# Altium PCB TempdevAmmy0803.PcbDoc (part 4 of 4)
Units mm, origin at the board's own origin, x right, y up, seen from the top; angles counter-clockwise.
Board outline 80.01 x 100.08 mm, 2 copper layers (Top Layer, Bottom Layer); 912 components, 585 nets, 2878 pads, 106 vias.
Unrouted connection lines stored in the file: 2039.
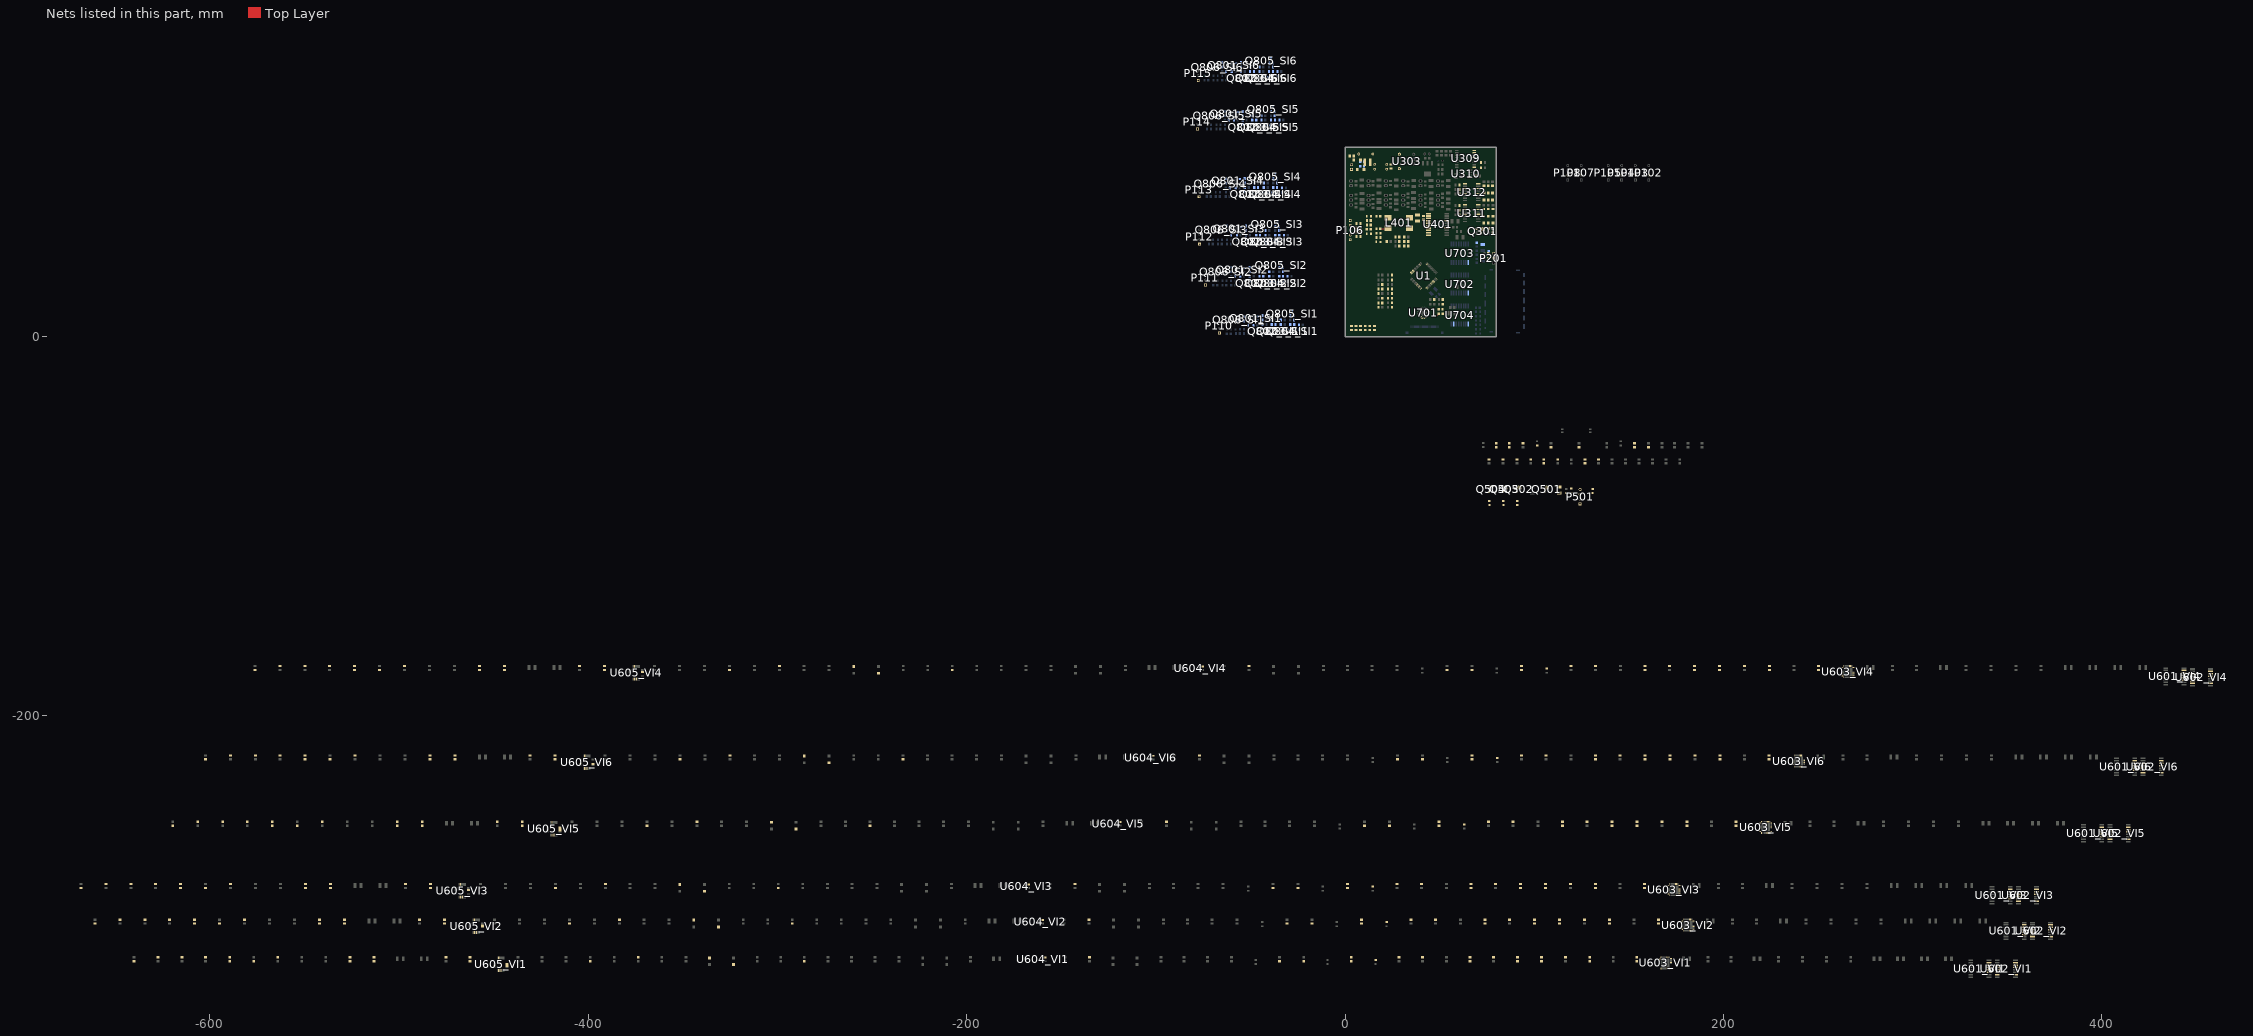
[diagram p4: the nets of this part, all layers, seen from the top]

## Via types
v1: diameter 0.5, hole 0.2, Top Layer to Bottom Layer, 96 vias
v2: diameter 0.5, hole 0.3, Top Layer to Bottom Layer, 9 vias
v3: diameter 0.5, hole 0.25, Top Layer to Bottom Layer, 1 vias

## Nets (pads, with @x,y where several pads share a name; then routed paths per layer and width w, separated by ;. In a path a pad name is that pad's centre, name@x,y a point inside that pad or via, vN(x,y) a via of type N, cw(c..) or ccw(c..) an arc to the next point about the centre after c; other vN are vias at no path point) (continued)
HART_CD/IRQ: U1.63 U602_VI1.6 U602_VI2.6 U602_VI3.6 U602_VI4.6 U602_VI5.6 U602_VI6.6
HART_DUPLEX/SDI: R207.1 R209.1 U602_VI1.5
HART_DUPLEX/SDI_VI2: U602_VI1.7 U602_VI2.5
HART_DUPLEX/SDI_VI3: U602_VI2.7 U602_VI3.5
HART_DUPLEX/SDI_VI4: U602_VI3.7 U602_VI4.5
HART_DUPLEX/SDI_VI5: U602_VI4.7 U602_VI5.5
HART_DUPLEX/SDI_VI6: U602_VI5.7 U602_VI6.5
HART_OUT/SDO: R208.1 R210.1 U602_VI6.7
HART_R\T\S\/SCLK: R206.1 R211.1 U602_VI1.4 U602_VI2.4 U602_VI3.4 U602_VI4.4 U602_VI5.4 U602_VI6.4
HART_RXD/C\S\: U1.64 U602_VI1.3 U602_VI2.3 U602_VI3.3 U602_VI4.3 U602_VI5.3 U602_VI6.3
HMI5V: C501.1 D502.2 D512.2 L501.1 R502.1
IOUT1: Q805_SI1.3 Q805_SI2.3 Q805_SI3.3 Q805_SI4.3 Q805_SI5.3 Q805_SI6.3 R707.1 R708.2
L\D\A\C\_VI1: U601_VI1.11 U603_VI1.20
L\D\A\C\_VI2: U601_VI2.11 U603_VI2.20
L\D\A\C\_VI3: U601_VI3.11 U603_VI3.20
L\D\A\C\_VI4: U601_VI4.11 U603_VI4.20
L\D\A\C\_VI5: U601_VI5.11 U603_VI5.20
L\D\A\C\_VI6: U601_VI6.11 U603_VI6.20
MOD_IN_VI1: C622_VI1.2 U605_VI1.21
MOD_IN_VI2: C622_VI2.2 U605_VI2.21
MOD_IN_VI3: C622_VI3.2 U605_VI3.21
MOD_IN_VI4: C622_VI4.2 U605_VI4.21
MOD_IN_VI5: C622_VI5.2 U605_VI5.21
MOD_IN_VI6: C622_VI6.2 U605_VI6.21
MOD_INF_VI1: C623_VI1.2 C624_VI1.1 R628_VI1.1 R629_VI1.1 U605_VI1.22
MOD_INF_VI2: C623_VI2.2 C624_VI2.1 R628_VI2.1 R629_VI2.1 U605_VI2.22
MOD_INF_VI3: C623_VI3.2 C624_VI3.1 R628_VI3.1 R629_VI3.1 U605_VI3.22
MOD_INF_VI4: C623_VI4.2 C624_VI4.1 R628_VI4.1 R629_VI4.1 U605_VI4.22
MOD_INF_VI5: C623_VI5.2 C624_VI5.1 R628_VI5.1 R629_VI5.1 U605_VI5.22
MOD_INF_VI6: C623_VI6.2 C624_VI6.1 R628_VI6.1 R629_VI6.1 U605_VI6.22
MOD_OUT_VI1: C631_VI1.2 C633_VI1.1 U605_VI1.19
MOD_OUT_VI2: C631_VI2.2 C633_VI2.1 U605_VI2.19
MOD_OUT_VI3: C631_VI3.2 C633_VI3.1 U605_VI3.19
MOD_OUT_VI4: C631_VI4.2 C633_VI4.1 U605_VI4.19
MOD_OUT_VI5: C631_VI5.2 C633_VI5.1 U605_VI5.19
MOD_OUT_VI6: C631_VI6.2 C633_VI6.1 U605_VI6.19
MOSI: U1.16
NetC201_2: C201.2 U1.17
NetC305_1: C305.1 D302.2 L301.1 R301.1 R302.1
NetC405_2: C405.2 L401.4 R402.1
NetC406_1: C406.1 L401.3 R404.2 | length 4
  Top Layer w0.5: R404.2@18.669,57.023 L401.3@22.695,57.023
NetC501_2: C501.2
NetC509_1: 
NetC510_1: 
NetC512_1: 
NetC514_2: 
NetC624_VI1_2: C624_VI1.2 C629_VI1.2 R627_VI1.1
NetC624_VI2_2: C624_VI2.2 C629_VI2.2 R627_VI2.1
NetC624_VI3_2: C624_VI3.2 C629_VI3.2 R627_VI3.1
NetC624_VI4_2: C624_VI4.2 C629_VI4.2 R627_VI4.1
NetC624_VI5_2: C624_VI5.2 C629_VI5.2 R627_VI5.1
NetC624_VI6_2: C624_VI6.2 C629_VI6.2 R627_VI6.1
NetC630_VI1_2: C630_VI1.2 R629_VI1.2 U605_VI1.20
NetC630_VI2_2: C630_VI2.2 R629_VI2.2 U605_VI2.20
NetC630_VI3_2: C630_VI3.2 R629_VI3.2 U605_VI3.20
NetC630_VI4_2: C630_VI4.2 R629_VI4.2 U605_VI4.20
NetC630_VI5_2: C630_VI5.2 R629_VI5.2 U605_VI5.20
NetC630_VI6_2: C630_VI6.2 R629_VI6.2 U605_VI6.20
NetC632_VI1_2: C632_VI1.2 U605_VI1.18
NetC632_VI2_2: C632_VI2.2 U605_VI2.18
NetC632_VI3_2: C632_VI3.2 U605_VI3.18
NetC632_VI4_2: C632_VI4.2 U605_VI4.18
NetC632_VI5_2: C632_VI5.2 U605_VI5.18
NetC632_VI6_2: C632_VI6.2 U605_VI6.18
NetC708_2: C708.2 U701.1 | length 0.7
  Top Layer w0.254: U701.1@44.39,13.213 U701.1@44.591,13.414 ; C708.2@49.212,14.176 C708.2@49.514,14.478
NetC709_2: C709.2 U701.24
NetC802_SI1_2: C802_SI1.2 Q806_SI1.4 R815_SI1.2
NetC802_SI2_2: C802_SI2.2 Q806_SI2.4 R815_SI2.2
NetC802_SI3_2: C802_SI3.2 Q806_SI3.4 R815_SI3.2
NetC802_SI4_2: C802_SI4.2 Q806_SI4.4 R815_SI4.2
NetC802_SI5_2: C802_SI5.2 Q806_SI5.4 R815_SI5.2
NetC802_SI6_2: C802_SI6.2 Q806_SI6.4 R815_SI6.2
NetD301_1: D301.1 F301.2 R303.2
NetD301_2: D301.2 R301.2 R302.2
NetD303_1: D303.1 R306.2 U311.16
NetD303_2: D303.2 D304.2 D305.2 D306.2 D307.2 D308.2 R317.1
NetD304_1: D304.1 R307.2 U311.14
NetD305_1: D305.1 R308.2 U311.12
NetD306_1: D306.1 R309.2 U312.16
NetD307_1: D307.1 R310.2 U312.14
NetD308_1: D308.1 R311.2 U312.12
NetD401_1: D401.1 D402.2 PTC401.2 R401.2 R402.2 R403.2
NetD402_1: D402.1 D403.2 PTC402.2 R403.1 R404.1 R405.2
NetD501_2: D501.2 L501.2 R501.2
NetD506_1: D506.1 L502.2 R506.2
NetD508_1: R517.2
NetD508_2: Q501.1
NetD509_1: R519.2
NetD509_2: Q502.1
NetD510_1: R521.2
NetD510_2: Q503.1
NetD511_1: R523.2
NetD511_2: Q504.1
NetD512_1: D512.1
NetD513_1: D513.1
NetD514_1: D514.1
NetL401_1: L401.1 U401.15 U401.18
NetL401_2: L401.2 U401.13 U401.17
NetNTC701_1: NTC701.1 R703.2 R704.2
NetNTC701_2: NTC701.2 R701.2 R702.2
NetP502_5: 
NetP502_22: 
NetQ301_2: Q301.2 R317.2 R318.1
NetQ501_2: Q501.2 R518.2
NetQ502_2: Q502.2 R520.2
NetQ503_2: Q503.2 R522.2
NetQ504_2: Q504.2 R524.2
NetQ801_SI1_2: Q801_SI1.2 R802_SI1.1 R803_SI1.1
NetQ801_SI2_2: Q801_SI2.2 R802_SI2.1 R803_SI2.1
NetQ801_SI3_2: Q801_SI3.2 R802_SI3.1 R803_SI3.1
NetQ801_SI4_2: Q801_SI4.2 R802_SI4.1 R803_SI4.1
NetQ801_SI5_2: Q801_SI5.2 R802_SI5.1 R803_SI5.1
NetQ801_SI6_2: Q801_SI6.2 R802_SI6.1 R803_SI6.1
NetQ802_SI1_2: Q802_SI1.2 R801_SI1.1 R804_SI1.1
NetQ802_SI2_2: Q802_SI2.2 R801_SI2.1 R804_SI2.1
NetQ802_SI3_2: Q802_SI3.2 R801_SI3.1 R804_SI3.1
NetQ802_SI4_2: Q802_SI4.2 R801_SI4.1 R804_SI4.1
NetQ802_SI5_2: Q802_SI5.2 R801_SI5.1 R804_SI5.1
NetQ802_SI6_2: Q802_SI6.2 R801_SI6.1 R804_SI6.1
NetQ803_SI1_1: Q803_SI1.1 R804_SI1.2
NetQ803_SI1_2: Q803_SI1.2 R805_SI1.1 R806_SI1.1
NetQ803_SI2_1: Q803_SI2.1 R804_SI2.2
NetQ803_SI2_2: Q803_SI2.2 R805_SI2.1 R806_SI2.1
NetQ803_SI3_1: Q803_SI3.1 R804_SI3.2
NetQ803_SI3_2: Q803_SI3.2 R805_SI3.1 R806_SI3.1
NetQ803_SI4_1: Q803_SI4.1 R804_SI4.2
NetQ803_SI4_2: Q803_SI4.2 R805_SI4.1 R806_SI4.1
NetQ803_SI5_1: Q803_SI5.1 R804_SI5.2
NetQ803_SI5_2: Q803_SI5.2 R805_SI5.1 R806_SI5.1
NetQ803_SI6_1: Q803_SI6.1 R804_SI6.2
NetQ803_SI6_2: Q803_SI6.2 R805_SI6.1 R806_SI6.1
NetQ804_SI1_1: Q804_SI1.1 R807_SI1.1
NetQ804_SI1_2: Q804_SI1.2 R808_SI1.1 R810_SI1.1
NetQ804_SI2_1: Q804_SI2.1 R807_SI2.1
NetQ804_SI2_2: Q804_SI2.2 R808_SI2.1 R810_SI2.1
NetQ804_SI3_1: Q804_SI3.1 R807_SI3.1
NetQ804_SI3_2: Q804_SI3.2 R808_SI3.1 R810_SI3.1
NetQ804_SI4_1: Q804_SI4.1 R807_SI4.1
NetQ804_SI4_2: Q804_SI4.2 R808_SI4.1 R810_SI4.1
NetQ804_SI5_1: Q804_SI5.1 R807_SI5.1
NetQ804_SI5_2: Q804_SI5.2 R808_SI5.1 R810_SI5.1
NetQ804_SI6_1: Q804_SI6.1 R807_SI6.1
NetQ804_SI6_2: Q804_SI6.2 R808_SI6.1 R810_SI6.1
NetQ805_SI1_1: Q805_SI1.1 R807_SI1.2 R809_SI1.1
NetQ805_SI1_2: Q805_SI1.2 Q806_SI1.3 Q806_SI1.6
NetQ805_SI2_1: Q805_SI2.1 R807_SI2.2 R809_SI2.1
NetQ805_SI2_2: Q805_SI2.2 Q806_SI2.3 Q806_SI2.6
NetQ805_SI3_1: Q805_SI3.1 R807_SI3.2 R809_SI3.1
NetQ805_SI3_2: Q805_SI3.2 Q806_SI3.3 Q806_SI3.6
NetQ805_SI4_1: Q805_SI4.1 R807_SI4.2 R809_SI4.1
NetQ805_SI4_2: Q805_SI4.2 Q806_SI4.3 Q806_SI4.6
NetQ805_SI5_1: Q805_SI5.1 R807_SI5.2 R809_SI5.1
NetQ805_SI5_2: Q805_SI5.2 Q806_SI5.3 Q806_SI5.6
NetQ805_SI6_1: Q805_SI6.1 R807_SI6.2 R809_SI6.1
NetQ805_SI6_2: Q805_SI6.2 Q806_SI6.3 Q806_SI6.6
NetQ806_SI1_2: Q806_SI1.2 R811_SI1.2 R812_SI1.2
NetQ806_SI1_5: Q806_SI1.5 R813_SI1.2 R814_SI1.2
NetQ806_SI2_2: Q806_SI2.2 R811_SI2.2 R812_SI2.2
NetQ806_SI2_5: Q806_SI2.5 R813_SI2.2 R814_SI2.2
NetQ806_SI3_2: Q806_SI3.2 R811_SI3.2 R812_SI3.2
NetQ806_SI3_5: Q806_SI3.5 R813_SI3.2 R814_SI3.2
NetQ806_SI4_2: Q806_SI4.2 R811_SI4.2 R812_SI4.2
NetQ806_SI4_5: Q806_SI4.5 R813_SI4.2 R814_SI4.2
NetQ806_SI5_2: Q806_SI5.2 R811_SI5.2 R812_SI5.2
NetQ806_SI5_5: Q806_SI5.5 R813_SI5.2 R814_SI5.2
NetQ806_SI6_2: Q806_SI6.2 R811_SI6.2 R812_SI6.2
NetQ806_SI6_5: Q806_SI6.5 R813_SI6.2 R814_SI6.2
NetR201_1: R201.1 U1.32 | length 0.5
  Top Layer w0.254: R201.1@51.435,19.558 R201.1@51.816,19.939
NetR209_2: R209.2 U1.62
NetR210_2: R210.2 U1.61
NetR211_2: R211.2 U1.60
NetR212_1: R212.1 U1.51
NetR305_1: R305.1 U310.1
NetR312_1: R312.1 U311.1
NetR313_1: R313.1 U311.3
NetR315_1: R315.1 U311.5
NetR316_1: R316.1 U312.1
NetR319_1: R319.1 U312.3
NetR320_1: R320.1 U312.5
NetR604_VI1_2: R604_VI1.2 U603_VI1.9
NetR604_VI2_2: R604_VI2.2 U603_VI2.9
NetR604_VI3_2: R604_VI3.2 U603_VI3.9
NetR604_VI4_2: R604_VI4.2 U603_VI4.9
NetR604_VI5_2: R604_VI5.2 U603_VI5.9
NetR604_VI6_2: R604_VI6.2 U603_VI6.9
NetR612_VI1_2: R612_VI1.2 R615_VI1.1 U604_VI1.2
NetR612_VI2_2: R612_VI2.2 R615_VI2.1 U604_VI2.2
NetR612_VI3_2: R612_VI3.2 R615_VI3.1 U604_VI3.2
NetR612_VI4_2: R612_VI4.2 R615_VI4.1 U604_VI4.2
NetR612_VI5_2: R612_VI5.2 R615_VI5.1 U604_VI5.2
NetR612_VI6_2: R612_VI6.2 R615_VI6.1 U604_VI6.2
NetR621_VI1_2: R621_VI1.2 R623_VI1.1 U605_VI1.31
NetR621_VI2_2: R621_VI2.2 R623_VI2.1 U605_VI2.31
NetR621_VI3_2: R621_VI3.2 R623_VI3.1 U605_VI3.31
NetR621_VI4_2: R621_VI4.2 R623_VI4.1 U605_VI4.31
NetR621_VI5_2: R621_VI5.2 R623_VI5.1 U605_VI5.31
NetR621_VI6_2: R621_VI6.2 R623_VI6.1 U605_VI6.31
NetR705_1: R705.1 U701.27 | length 0.8
  Top Layer w0.254: R705.1@49.057,11.442 49.53,11.915 R705.1@49.53,12.065
OLED12V: D514.2
PE: C405.1 C406.2 MOV401.2 MOV402.2 P106.5
PGND1_VI1: C613_VI1.2 R602_VI1.2 U603_VI1.40
PGND1_VI2: C613_VI2.2 R602_VI2.2 U603_VI2.40
PGND1_VI3: C613_VI3.2 R602_VI3.2 U603_VI3.40
PGND1_VI4: C613_VI4.2 R602_VI4.2 U603_VI4.40
PGND1_VI5: C613_VI5.2 R602_VI5.2 U603_VI5.40
PGND1_VI6: C613_VI6.2 R602_VI6.2 U603_VI6.40
PGND2_VI1: C615_VI1.2 R605_VI1.2 U603_VI1.31
PGND2_VI2: C615_VI2.2 R605_VI2.2 U603_VI2.31
PGND2_VI3: C615_VI3.2 R605_VI3.2 U603_VI3.31
PGND2_VI4: C615_VI4.2 R605_VI4.2 U603_VI4.31
PGND2_VI5: C615_VI5.2 R605_VI5.2 U603_VI5.31
PGND2_VI6: C615_VI6.2 R605_VI6.2 U603_VI6.31
PowerOK: R518.1 U1.26
PSW: R819_SI1.1 R819_SI2.1 R819_SI3.1 R819_SI4.1 R819_SI5.1 R819_SI6.1 U701.25
R\E\S\: U1.12
R\E\S\E\T\_VI1: U602_VI1.15 U603_VI1.16 U605_VI1.6 U605_VI1.30
R\E\S\E\T\_VI2: U602_VI2.15 U603_VI2.16 U605_VI2.6 U605_VI2.30
R\E\S\E\T\_VI3: U602_VI3.15 U603_VI3.16 U605_VI3.6 U605_VI3.30
R\E\S\E\T\_VI4: U602_VI4.15 U603_VI4.16 U605_VI4.6 U605_VI4.30
R\E\S\E\T\_VI5: U602_VI5.15 U603_VI5.16 U605_VI5.6 U605_VI5.30
R\E\S\E\T\_VI6: U602_VI6.15 U603_VI6.16 U605_VI6.6 U605_VI6.30
RA_VI1: R603_VI1.1 U603_VI1.7
RA_VI2: R603_VI2.1 U603_VI2.7
RA_VI3: R603_VI3.1 U603_VI3.7
RA_VI4: R603_VI4.1 U603_VI4.7
RA_VI5: R603_VI5.1 U603_VI5.7
RA_VI6: R603_VI6.1 U603_VI6.7
RB_VI1: R603_VI1.2 U603_VI1.8
RB_VI2: R603_VI2.2 U603_VI2.8
RB_VI3: R603_VI3.2 U603_VI3.8
RB_VI4: R603_VI4.2 U603_VI4.8
RB_VI5: R603_VI5.2 U603_VI5.8
RB_VI6: R603_VI6.2 U603_VI6.8
REFIN1_N: C712.2 C713.1 R708.1 U701.13
REFIN1_P: C711.1 C712.1 R706.1 U701.12
REFIN_VI1: C616_VI1.2 U603_VI1.10 U603_VI1.11
REFIN_VI2: C616_VI2.2 U603_VI2.10 U603_VI2.11
REFIN_VI3: C616_VI3.2 U603_VI3.10 U603_VI3.11
REFIN_VI4: C616_VI4.2 U603_VI4.10 U603_VI4.11
REFIN_VI5: C616_VI5.2 U603_VI5.10 U603_VI5.11
REFIN_VI6: C616_VI6.2 U603_VI6.10 U603_VI6.11
REFOUT: C710.2 R701.1 U701.22
RET1: P110.1 R819_SI1.2
RET2: P111.1 R819_SI2.2
RET3: P112.1 R819_SI3.2
RET4: P113.1 R819_SI4.2
RET5: P114.1 R819_SI5.2
RET6: P115.1 R819_SI6.2
RS485_N: MOV402.1 P106.3 PTC402.1
RS485_P: MOV401.1 P106.2 PTC401.1
RS485_Rxd: U1.9 U401.7
RS485_Txd: R520.1 U1.10 U401.4
Rxd/D-: P201.2 R205.1 U1.27
S\Y\N\C\_VI1: U601_VI1.15 U603_VI1.24
S\Y\N\C\_VI2: U601_VI2.15 U603_VI2.24
S\Y\N\C\_VI3: U601_VI3.15 U603_VI3.24
S\Y\N\C\_VI4: U601_VI4.15 U603_VI4.24
S\Y\N\C\_VI5: U601_VI5.15 U603_VI5.24
S\Y\N\C\_VI6: U601_VI6.15 U603_VI6.24
SCLK: U1.13
SCLK_VI1: U601_VI1.14 U603_VI1.22
SCLK_VI2: U601_VI2.14 U603_VI2.22
SCLK_VI3: U601_VI3.14 U603_VI3.22
SCLK_VI4: U601_VI4.14 U603_VI4.22
SCLK_VI5: U601_VI5.14 U603_VI5.22
SCLK_VI6: U601_VI6.14 U603_VI6.22
SDI_VI1: U601_VI1.13 U603_VI1.23
SDI_VI2: U601_VI2.13 U603_VI2.23
SDI_VI3: U601_VI3.13 U603_VI3.23
SDI_VI4: U601_VI4.13 U603_VI4.23
SDI_VI5: U601_VI5.13 U603_VI5.23
SDI_VI6: U601_VI6.13 U603_VI6.23
SDO_VI1: U601_VI1.12 U603_VI1.14
SDO_VI2: U601_VI2.12 U603_VI2.14
SDO_VI3: U601_VI3.12 U603_VI3.14
SDO_VI4: U601_VI4.12 U603_VI4.14
SDO_VI5: U601_VI5.12 U603_VI5.14
SDO_VI6: U601_VI6.12 U603_VI6.14
SGND: C345.2 C349.1 C701.2 C703.2 C708.1 L702.1 R705.2 U309.9 U309.13 U309.15 U309.16 U701.3 U702.9 U703.9 U704.9 U704.15
SS: U1.18
SS2: U1.47
SW+_VI1: L601_VI1.1 U603_VI1.1
SW+_VI2: L601_VI2.1 U603_VI2.1
SW+_VI3: L601_VI3.1 U603_VI3.1
SW+_VI4: L601_VI4.1 U603_VI4.1
SW+_VI5: L601_VI5.1 U603_VI5.1
SW+_VI6: L601_VI6.1 U603_VI6.1
SW-_VI1: L602_VI1.1 U603_VI1.30
SW-_VI2: L602_VI2.1 U603_VI2.30
SW-_VI3: L602_VI3.1 U603_VI3.30
SW-_VI4: L602_VI4.1 U603_VI4.30
SW-_VI5: L602_VI5.1 U603_VI5.30
SW-_VI6: L602_VI6.1 U603_VI6.30
Txd/D+: P201.3 R204.1 U1.28
U\A\R\T\_\R\T\S\/SCLK_VI1: U602_VI1.13 U605_VI1.11
U\A\R\T\_\R\T\S\/SCLK_VI2: U602_VI2.13 U605_VI2.11
U\A\R\T\_\R\T\S\/SCLK_VI3: U602_VI3.13 U605_VI3.11
U\A\R\T\_\R\T\S\/SCLK_VI4: U602_VI4.13 U605_VI4.11
U\A\R\T\_\R\T\S\/SCLK_VI5: U602_VI5.13 U605_VI5.11
U\A\R\T\_\R\T\S\/SCLK_VI6: U602_VI6.13 U605_VI6.11
UART_IN/C\S\_VI1: U602_VI1.14 U605_VI1.10
UART_IN/C\S\_VI2: U602_VI2.14 U605_VI2.10
UART_IN/C\S\_VI3: U602_VI3.14 U605_VI3.10
UART_IN/C\S\_VI4: U602_VI4.14 U605_VI4.10
UART_IN/C\S\_VI5: U602_VI5.14 U605_VI5.10
UART_IN/C\S\_VI6: U602_VI6.14 U605_VI6.10
UART_OUT/SDO_VI1: U602_VI1.10 U605_VI1.13
UART_OUT/SDO_VI2: U602_VI2.10 U605_VI2.13
UART_OUT/SDO_VI3: U602_VI3.10 U605_VI3.13
UART_OUT/SDO_VI4: U602_VI4.10 U605_VI4.13
UART_OUT/SDO_VI5: U602_VI5.10 U605_VI5.13
UART_OUT/SDO_VI6: U602_VI6.10 U605_VI6.13
USB5V: P501.1 R501.1
USB+: D501.1 D503.2 P501.2 R503.2
USB-: D503.1 D506.2 P501.3 R504.2
USBGND: P501.4 R506.1
USBISPE\N\: R202.1
V+: C306.1 C307.1 L301.2 U303.4
VDPC+_VI1: C613_VI1.1 L601_VI1.2 U603_VI1.39
VDPC+_VI2: C613_VI2.1 L601_VI2.2 U603_VI2.39
VDPC+_VI3: C613_VI3.1 L601_VI3.2 U603_VI3.39
VDPC+_VI4: C613_VI4.1 L601_VI4.2 U603_VI4.39
VDPC+_VI5: C613_VI5.1 L601_VI5.2 U603_VI5.39
VDPC+_VI6: C613_VI6.1 L601_VI6.2 U603_VI6.39
VDPC-_VI1: C615_VI1.1 L602_VI1.2 U603_VI1.32
VDPC-_VI2: C615_VI2.1 L602_VI2.2 U603_VI2.32
VDPC-_VI3: C615_VI3.1 L602_VI3.2 U603_VI3.32
VDPC-_VI4: C615_VI4.1 L602_VI4.2 U603_VI4.32
VDPC-_VI5: C615_VI5.1 L602_VI5.2 U603_VI5.32
VDPC-_VI6: C615_VI6.1 L602_VI6.2 U603_VI6.32
VI_VI1: C617_VI1.1 D608_VI1.2 D609_VI1.1 R606_VI1.2 U603_VI1.37
VI_VI2: C617_VI2.1 D608_VI2.2 D609_VI2.1 R606_VI2.2 U603_VI2.37
VI_VI3: C617_VI3.1 D608_VI3.2 D609_VI3.1 R606_VI3.2 U603_VI3.37
VI_VI4: C617_VI4.1 D608_VI4.2 D609_VI4.1 R606_VI4.2 U603_VI4.37
VI_VI5: C617_VI5.1 D608_VI5.2 D609_VI5.1 R606_VI5.2 U603_VI5.37
VI_VI6: C617_VI6.1 D608_VI6.2 D609_VI6.1 R606_VI6.2 U603_VI6.37
VIN+: F301.1 P101.2
VIN-: C305.2 C306.2 C307.2 D302.1 P101.1 R303.1 U303.1
VIOUT_VI1: C622_VI1.1 D601_VI1.2 P102.2 R606_VI1.1 R607_VI1.1 R627_VI1.2
VIOUT_VI2: C622_VI2.1 D601_VI2.2 P103.2 R606_VI2.1 R607_VI2.1 R627_VI2.2
VIOUT_VI3: C622_VI3.1 D601_VI3.2 P104.2 R606_VI3.1 R607_VI3.1 R627_VI3.2
VIOUT_VI4: C622_VI4.1 D601_VI4.2 P105.2 R606_VI4.1 R607_VI4.1 R627_VI4.2
VIOUT_VI5: C622_VI5.1 D601_VI5.2 P107.2 R606_VI5.1 R607_VI5.1 R627_VI5.2
VIOUT_VI6: C622_VI6.1 D601_VI6.2 P108.2 R606_VI6.1 R607_VI6.1 R627_VI6.2
VISOGND: C402.2 C404.2 D403.1 P106.4 R405.1 U401.11 U401.14 U401.16 U401.20
VISOOUT: C402.1 C404.1 D401.2 P106.1 R401.1 U401.12 U401.19
±15VsON: Q301.1 R314.2 U1.24
pads on no net: Designator6.1 Designator6.2 Designator6.3 Designator6.4 Designator6.5 Designator6.6 Designator6.7 Designator6.8 Designator6.9 Designator6.10 Designator6.11 Designator6.12 Designator6.13 Designator6.14 Designator6.15 Designator6.16 Designator6.17 Designator6.18 Designator6.19 Designator6.20 Designator6.21 Designator6.22 Designator6.23 Designator6.24 Designator6.25 Designator6.26 Designator6.27 Designator6.28 Designator6.29 Designator6.30 Designator6.31 Designator6.32 Designator6.33 Designator6.34 Designator6.35 Designator6.36 Designator6.37 Designator6.38 Designator6.39 Designator6.40 Designator6.41 Designator6.42 Designator6.43 Designator6.44 Designator6.45 Designator6.46 Designator6.47 Designator6.48 Designator6.49 Designator6.50 Designator6.51 Designator6.52 Designator6.53 Designator6.54 Designator6.55 Designator6.56 Designator6.57 Designator6.58 Designator6.59 Designator6.60 Designator6.61 Designator6.62 Designator7.1 Designator7.2 Designator7.3 Designator7.4 Designator7.5 Designator7.6 Designator7.7 Designator7.8 Designator7.9 Designator7.10 Designator7.11 Designator7.12 Designator7.13 Designator7.14 Designator7.15 Designator7.16 Designator7.17 Designator7.18 Designator7.19 Designator7.20 Designator7.21 Designator7.22 Designator7.23 Designator7.24 Designator7.25 Designator7.26 Designator7.27 Designator7.28 Designator7.29 Designator7.30 Designator7.31 Designator7.32 Designator8.1 Designator8.2 Designator8.3 Designator8.4 Designator8.5 Designator8.6 Designator8.7 Designator8.8 Designator8.9 Designator8.10 Designator8.11 Designator8.12 Designator8.13 Designator8.14 Designator8.15 Designator8.16 Designator8.17 Designator8.18 Designator8.19 Designator8.20 Designator8.21 Designator8.22 Designator8.23 Designator8.24 Designator8.25 Designator8.26 Designator8.27 Designator8.28 Designator8.29 Designator8.30 Designator8.31 Designator8.32 Designator8.33 Designator8.34 Designator8.35 Designator8.36 Designator8.37 Designator8.38 Designator8.39 Designator8.40 Designator8.41 Designator8.42 Designator8.43 Designator8.44 Designator8.45 Designator8.46 Designator8.47 Designator8.48 Designator8.49 Designator8.50 Designator8.51 Designator8.52 Designator8.53 Designator8.54 Designator8.55 Designator8.56 Designator8.57 Designator8.58 Designator8.59 Designator8.60 Designator8.61 Designator8.62 U303.6 U309. U309.4 U309.5 U309.6 U309.7 U309.8 U309.10 U309.11 U309.12 U310.3 U310.4 U310.6 U311.7 U311.8 U311.9 U311.10 U312.7 U312.8 U312.9 U312.10 U603_VI1.28 U603_VI1.33 U603_VI1.41 U603_VI2.28 U603_VI2.33 U603_VI2.41 U603_VI3.28 U603_VI3.33 U603_VI3.41 U603_VI4.28 U603_VI4.33 U603_VI4.41 U603_VI5.28 U603_VI5.33 U603_VI5.41 U603_VI6.28 U603_VI6.33 U603_VI6.41 U605_VI1.1 U605_VI1.3 U605_VI1.8 U605_VI1.16 U605_VI1.17 U605_VI1.24 U605_VI1.25 U605_VI1.27 U605_VI1.28 U605_VI1.32 U605_VI2.1 U605_VI2.3 U605_VI2.8 U605_VI2.16 U605_VI2.17 U605_VI2.24 U605_VI2.25 U605_VI2.27 U605_VI2.28 U605_VI2.32 U605_VI3.1 U605_VI3.3 U605_VI3.8 U605_VI3.16 U605_VI3.17 U605_VI3.24 U605_VI3.25 U605_VI3.27 U605_VI3.28 U605_VI3.32 U605_VI4.1 U605_VI4.3 U605_VI4.8 U605_VI4.16 U605_VI4.17 U605_VI4.24 U605_VI4.25 U605_VI4.27 U605_VI4.28 U605_VI4.32 U605_VI5.1 U605_VI5.3 U605_VI5.8 U605_VI5.16 U605_VI5.17 U605_VI5.24 U605_VI5.25 U605_VI5.27 U605_VI5.28 U605_VI5.32 U605_VI6.1 U605_VI6.3 U605_VI6.8 U605_VI6.16 U605_VI6.17 U605_VI6.24 U605_VI6.25 U605_VI6.27 U605_VI6.28 U605_VI6.32 U701.31 U701.33 U704.7 U704.10
copper on no net:
  other v1: 167.641,-332.612 168.741,-332.612 169.841,-332.612 170.941,-332.612 167.641,-331.512 168.741,-331.512 169.841,-331.512 170.941,-331.512 167.641,-330.412 168.741,-330.412 169.841,-330.412 170.941,-330.412 167.641,-329.312 168.741,-329.312 169.841,-329.312 170.941,-329.312 179.579,-312.673 180.679,-312.673 181.779,-312.673 182.879,-312.673 179.579,-311.573 180.679,-311.573 181.779,-311.573 182.879,-311.573 179.579,-310.473 180.679,-310.473 181.779,-310.473 182.879,-310.473 179.579,-309.373 180.679,-309.373 181.779,-309.373 182.879,-309.373 172.188,-293.877 173.288,-293.877 174.388,-293.877 175.488,-293.877 172.188,-292.777 173.288,-292.777 174.388,-292.777 175.488,-292.777 172.188,-291.677 173.288,-291.677 174.388,-291.677 175.488,-291.677 172.188,-290.577 173.288,-290.577 174.388,-290.577 175.488,-290.577 220.6,-260.984 221.7,-260.984 222.8,-260.984 223.9,-260.984 220.6,-259.884 221.7,-259.884 222.8,-259.884 223.9,-259.884 220.6,-258.784 221.7,-258.784 222.8,-258.784 223.9,-258.784 220.6,-257.684 221.7,-257.684 222.8,-257.684 223.9,-257.684 237.999,-225.932 239.099,-225.932 240.199,-225.932 241.299,-225.932 237.999,-224.832 239.099,-224.832 240.199,-224.832 241.299,-224.832 237.999,-223.732 239.099,-223.732 240.199,-223.732 241.299,-223.732 237.999,-222.632 239.099,-222.632 240.199,-222.632 241.299,-222.632 264.136,-178.688 265.236,-178.688 266.336,-178.688 267.436,-178.688 264.136,-177.588 265.236,-177.588 266.336,-177.588 267.436,-177.588 264.136,-176.488 265.236,-176.488 266.336,-176.488 267.436,-176.488 264.136,-175.388 265.236,-175.388 266.336,-175.388 267.436,-175.388
  other v2: 41.402,11.286 40.695,11.993 42.109,11.993 39.988,12.7 41.402,12.7 42.816,12.7 40.695,13.407 42.109,13.407 41.402,14.114
  other v3: 71.501,33.528

## Silkscreen, mask and mechanical layers (free items; w line width, h text height)
Top Overlay:
  lines w0.127: 0,2.5 80,2.5 ; 0,97.5 80,97.5 ; 2.5,0 2.5,100 ; 77.5,0 77.5,100
Mechanical 1:
  lines w0.254: 0,0 80.01,0 ; 89.027,-0.127 169.037,-0.127 ; 169.208,-33.228 89.208,-33.228 89.208,-3.228 169.208,-3.228 169.208,-33.169
  lines w0.3: 0,0 0,100.076 80.01,100.076 80.01,0 ; 89.027,-0.127 89.027,99.949 169.037,99.949 169.037,-0.127

## Dimensions
89.027,99.949 to 89.027,-0.127 on Mechanical 1
89.027,99.949 to 169.037,99.949 on Mechanical 1
89.208,-33.228 to 169.208,-33.169 on Mechanical 1
89.208,-33.228 to 89.208,-3.228 on Mechanical 1
0,100.076 to 80.01,100.076 on Mechanical 1
0,100.076 to 0,0 on Mechanical 1

## Text inside footprints (layer, text, board x,y; h text height)
U301: Bottom Overlay "A_S-1WR3" at 7.244,79.17 h0.76 r90; Bottom Overlay "+Vo" at 5.552,70.35 h0.76 r90; Bottom Overlay "GND" at 5.552,80.399 h0.76 r90; Bottom Overlay "Vin" at 5.588,83 h0.76 r90; Bottom Overlay "-Vo" at 5.552,75.43 h0.76 r90; Bottom Overlay "0V" at 5.552,72.566 h0.76 r90
U302: Bottom Overlay "A_S-1WR3" at 16.515,79.17 h0.76 r90; Bottom Overlay "+Vo" at 14.823,70.35 h0.76 r90; Bottom Overlay "GND" at 14.823,80.399 h0.76 r90; Bottom Overlay "Vin" at 14.859,83 h0.76 r90; Bottom Overlay "-Vo" at 14.823,75.43 h0.76 r90; Bottom Overlay "0V" at 14.823,72.566 h0.76 r90
U303: Bottom Overlay "+Vo" at 37.628,96.834 h1.2 r180; Bottom Overlay "NC" at 37.628,94.295 h1.2 r180; Bottom Overlay "0V" at 37.626,91.756 h1.2 r180; Bottom Overlay "Vin" at 25.716,96.858 h1.2 r180; Bottom Overlay "GND" at 25.645,89.146 h1.2 r180; Bottom Overlay "WRB_SD-3WR2" at 28.652,99.134 h1.5 r180
U304: Bottom Overlay "0V" at 23.967,72.566 h0.76 r90; Bottom Overlay "-Vo" at 23.967,75.43 h0.76 r90; Bottom Overlay "Vin" at 24.003,83 h0.76 r90; Bottom Overlay "GND" at 23.967,80.399 h0.76 r90; Bottom Overlay "+Vo" at 23.967,70.35 h0.76 r90; Bottom Overlay "A_S-1WR3" at 25.659,79.17 h0.76 r90
U305: Bottom Overlay "0V" at 33.111,72.566 h0.76 r90; Bottom Overlay "-Vo" at 33.111,75.43 h0.76 r90; Bottom Overlay "Vin" at 33.147,83 h0.76 r90; Bottom Overlay "GND" at 33.111,80.399 h0.76 r90; Bottom Overlay "+Vo" at 33.111,70.35 h0.76 r90; Bottom Overlay "A_S-1WR3" at 34.803,79.17 h0.76 r90
U307: Bottom Overlay "0V" at 42.255,72.566 h0.76 r90; Bottom Overlay "-Vo" at 42.255,75.43 h0.76 r90; Bottom Overlay "Vin" at 42.291,83 h0.76 r90; Bottom Overlay "GND" at 42.255,80.399 h0.76 r90; Bottom Overlay "+Vo" at 42.255,70.35 h0.76 r90; Bottom Overlay "A_S-1WR3" at 43.947,79.17 h0.76 r90
U308: Bottom Overlay "A_S-1WR3" at 53.218,79.17 h0.76 r90; Bottom Overlay "+Vo" at 51.526,70.35 h0.76 r90; Bottom Overlay "GND" at 51.526,80.399 h0.76 r90; Bottom Overlay "Vin" at 51.562,83 h0.76 r90; Bottom Overlay "-Vo" at 51.526,75.43 h0.76 r90; Bottom Overlay "0V" at 51.526,72.566 h0.76 r90